# Allegro board C000PC009-HI3516DV300-CORE-A-A01.brd (continued)
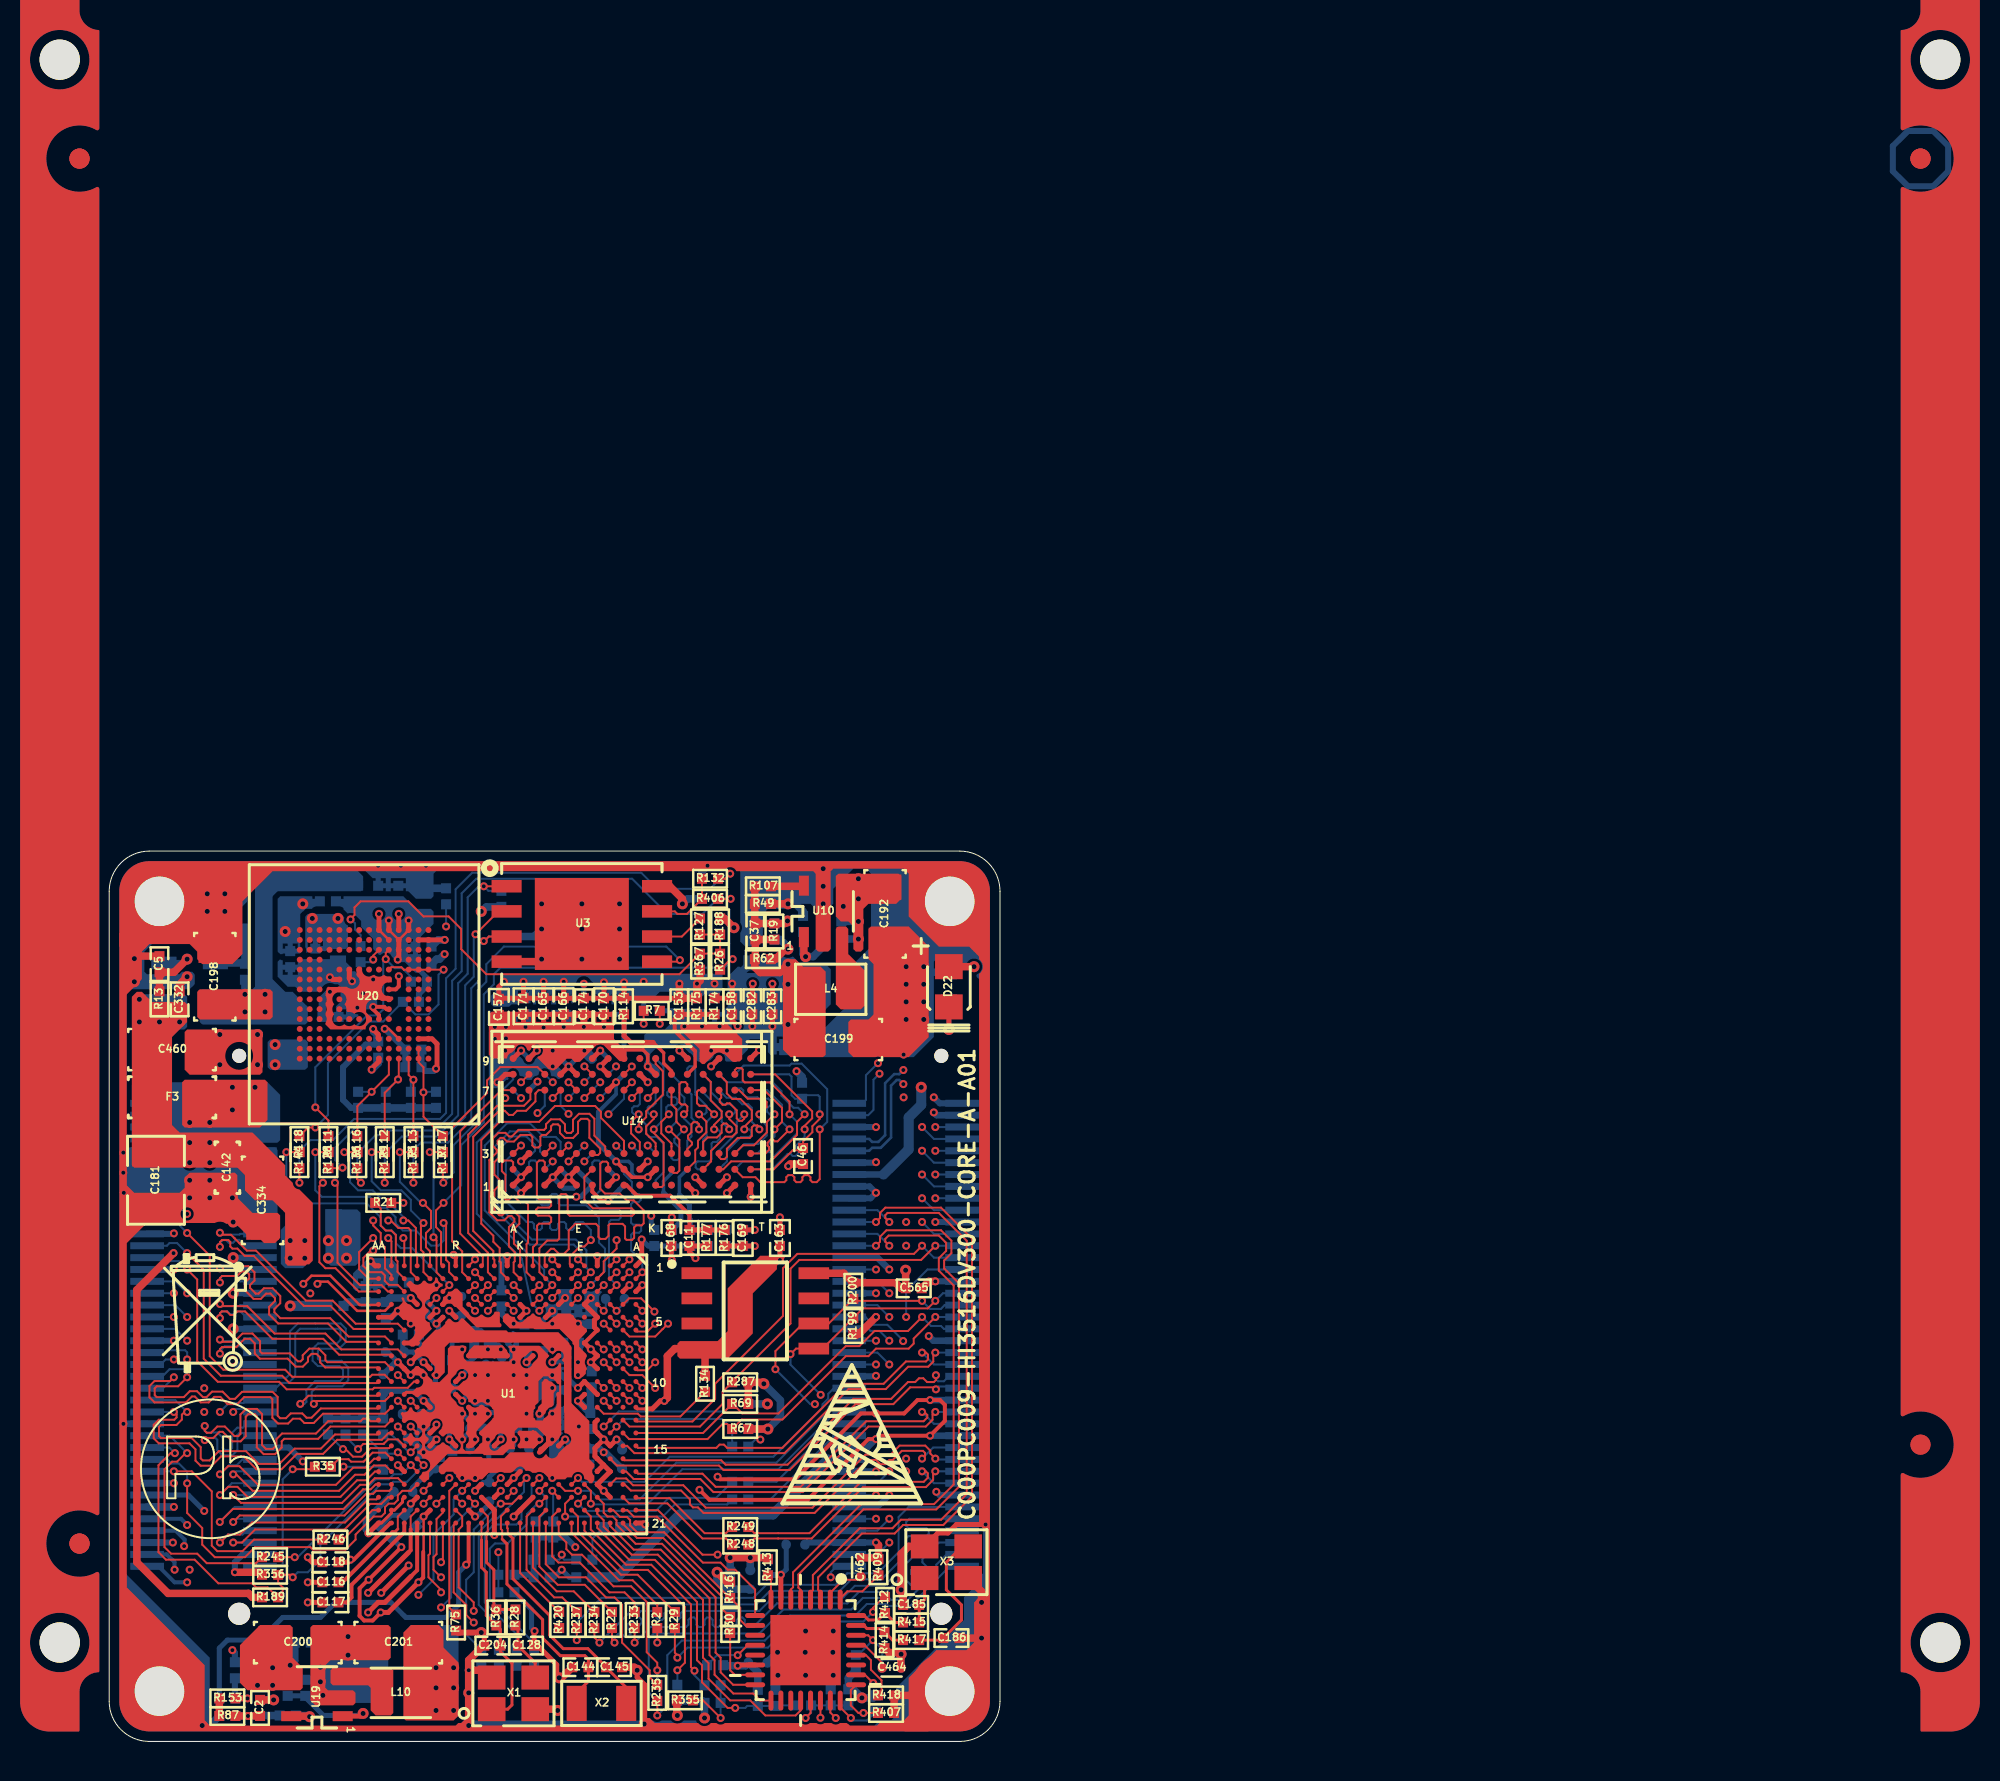
[diagram p0: board, top side]
## Routing (per net, layer and track width the routed paths; a pad name or vN(x,y) marks a point on that pad's centre or on a via; arc(x,y) is an arc through that point) (continued)
DDR3_DQ17: length 7.3
  TOP w0.102: U1.F2 v1(23.68,23.71)
  ART04 w0.102: v1(24,29.32) 24,29 24.38,28.62 24.38,26.84 24.71,26.51 24.71,25.16 24.1,24.55 24.1,24.14 v1(23.68,23.71)
  BOTTOM w0.102: U15.F7 v1(24,29.32)
DDR3_DQ18: length 12
  TOP w0.102: U1.D3 24.66,22.74 v1(24.98,23.06)
  ART04 w0.102: v1(24.98,23.06) 25.2,23.28 25.2,26.79 24.74,27.25 24.74,30.15 24.18,30.71 24.18,32.13 24.38,32.33 24.38,32.94 v1(24.01,33.32)
  BOTTOM w0.102: U15.F2 v1(24.01,33.32)
DDR3_DQ19: length 9.4
  TOP w0.102: U1.C3 v1(25.63,23.06)
  BOTTOM w0.102: U15.F8 24.4,29.26 24.51,29.36 24.74,29.36 24.81,29.29 24.81,27.85 24.49,27.53 24.49,27.2 24.79,26.9 25.73,26.9 25.83,26.79 25.83,26.46 25.73,26.36 25.35,26.36 25.25,26.26 25.25,23.45 v1(25.63,23.06)
DDR3_DQ20: length 10.8
  TOP w0.102: U1.B2 v1(26.28,23.71)
  ART04 w0.102: v1(25.22,31.7) 26.01,30.92 26.01,29.94 26.64,29.31 26.64,25.63 26.52,25.5 26.52,24.76 26.66,24.61 26.66,24.1 v1(26.28,23.71)
  BOTTOM w0.102: U15.H3 26,32.48 v1(25.22,31.7)
DDR3_DQ21: length 7.6
  TOP w0.102: U1.A2 26.72,23.5 26.72,23.5 v1(26.93,23.71)
  BOTTOM w0.102: v1(26.93,23.71) 26.93,24.25 26.36,24.82 26.36,25.61 26.47,25.71 26.77,25.71 26.87,25.81 26.87,26.02 26.77,26.12 26.47,26.12 26.36,26.22 26.36,27.16 26.47,27.26 26.75,27.26 26.85,27.36 26.85,27.57 26.75,27.67 26.47,27.67 26.4,27.73 26.4,28.28 26,28.68 26,28.92 U15.H8
DDR3_DQ22: length 12.5
  TOP w0.102: U1.D2 24.66,23.39 24.86,23.6 24.98,23.71 24.98,24.26 25.63,24.91 v1(25.63,25.34)
  ART04 w0.102: v1(25.6,34.12) 25.2,33.71 25.2,32.36 24.66,31.82 24.66,31.34 25.09,30.91 25.09,28.04 25.63,27.5 v1(25.63,25.34)
  BOTTOM w0.102: U15.G2 v1(25.6,34.12)
DDR3_DQ23: length 7.3
  TOP w0.102: U1.B1 v1(26.28,24.36)
  ART04 w0.102: v1(25.61,30.11) 25.61,29.83 26.01,29.44 26.01,27.76 26.21,27.56 26.21,27.31 26.06,27.15 26.06,26.9 26.21,26.75 26.21,26.49 26.06,26.34 26.06,24.59 v1(26.28,24.36)
  BOTTOM w0.102: U15.H7 v1(25.61,30.11)
DDR3_DQ24: length 14.2
  TOP w0.102: v1(22.38,23.06) 22.06,22.74 U1.H3
  BOTTOM w0.102: U15.D7 22.8,30.3 22.55,30.55 21.95,30.55 21.26,31.24 20.09,31.24 18.97,30.12 18.97,26.84 21.97,23.84 21.97,23.47 v1(22.38,23.06)
DDR3_DQ25: length 11
  TOP w0.102: U1.J3 21.41,22.74 v1(21.73,23.06)
  ART04 w0.102: v1(21.64,31.76) 21.92,31.48 21.92,27.07 21.34,26.49 21.34,23.46 v1(21.73,23.06)
  BOTTOM w0.102: v1(21.64,31.76) 22,32.13 U15.C3
DDR3_DQ26: length 9.5
  TOP w0.102: v1(22.38,24.36) 22.38,24.36 U1.G1
  ART04 w0.102: v1(22.4,29.32) 22.4,29.08 22.81,28.67 22.81,27.73 22.71,27.63 22.43,27.63 22.35,27.56 22.35,27.33 22.45,27.23 22.71,27.23 22.81,27.12 22.81,26.92 22.71,26.82 22.38,26.82 22.28,26.71 22.28,26.07 22.38,25.97 22.89,25.97 22.99,25.87 22.99,25.69 22.88,25.59 21.84,25.59 21.74,25.49 21.74,25.28 21.84,25.18 22.28,25.18 22.38,25.08 v1(22.38,24.36)
  BOTTOM w0.102: U15.C8 v1(22.4,29.32)
DDR3_DQ27: length 12
  TOP w0.102: U1.G2 v1(22.38,23.71)
  ART04 w0.102: v1(22.38,23.71) 22.77,24.11 22.77,24.9 23.42,25.54 23.42,26.95 23.22,27.15 23.22,27.76 23.62,28.17 23.62,28.65 23.37,28.9 23.06,28.9 22.77,29.19 22.77,32.95 v1(22.4,33.32)
  BOTTOM w0.102: U15.C2 v1(22.4,33.32)
DDR3_DQ28: length 11.6
  TOP w0.102: U1.F1 23.27,24.13 23.27,24.5 23.78,25.01 24.01,25.01 v1(24.33,25.34)
  BOTTOM w0.102: v1(24.33,25.34) 24.33,25.85 23.93,26.25 23.59,26.25 23.49,26.15 23.49,25.95 23.39,25.85 23.18,25.85 23.08,25.95 23.08,26.15 22.98,26.25 22.78,26.25 22.68,26.15 22.68,25.95 22.57,25.85 22.37,25.85 22.27,25.95 22.27,26.15 22.17,26.25 21.96,26.25 21.86,26.15 21.86,25.95 21.76,25.85 21.56,25.85 21.46,25.95 21.46,26.15 21.36,26.25 21.08,26.25 20.04,27.3 20.04,29.35 U15.A7
DDR3_DQ29: length 14.3
  TOP w0.102: U1.H4 v1(21.73,21.76)
  BOTTOM w0.102: U15.A2 20.4,33.46 19.58,32.64 19.58,31.28 18.57,30.27 18.57,26.67 20.85,24.39 21.31,22.19 v1(21.73,21.76)
DDR3_DQ30: length 11.4
  TOP w0.102: U1.E3 24.01,22.74 v1(24.33,23.06)
  BOTTOM w0.102: U15.B8 21.2,29.27 21.29,29.36 21.51,29.36 21.61,29.27 21.61,27.36 21.87,27.1 22.18,27.1 22.28,27.2 22.28,27.57 22.38,27.67 22.59,27.67 22.69,27.57 22.69,27.2 22.79,27.1 24.1,27.1 24.74,26.46 24.74,25.21 25.04,24.91 25.04,23.78 v1(24.33,23.06)
DDR3_DQ31: length 12
  TOP w0.102: U1.J4 21.41,22.09 v1(21.73,22.41)
  ART04 w0.102: v1(21.73,22.41) 20.93,23.22 20.93,26.67 21.51,27.25 21.51,31.01 20.8,31.72 v1(20.8,32.52)
  BOTTOM w0.102: U15.A3 v1(20.8,32.52)
DDR3_DQS0_N: length 18.1
  TOP w0.102: U14.G3 25.06,29.87 25.06,30.07 24.51,30.61 24.51,31.47 24.26,31.72 23.73,31.72 23.43,31.42 23.43,30.86 23.33,30.76 23.12,30.76 23.02,30.86 23.02,31.19 22.77,31.44 22.31,31.44 22.07,31.2 22.07,31.01 21.97,30.91 20.68,30.91 20.34,30.58 20.2,30.58 20.02,30.76 19.66,30.76 19.37,30.47 19.37,30.11 19.58,29.9 19.58,29.76 19.2,29.38 19.2,26.74 19.6,26.34 19.96,26.34 20.18,26.56 20.32,26.56 20.47,26.41 20.47,26.27 20.19,26 20.19,25.02 20.49,24.72 20.49,24.27 20.43,24.21 20.43,23.71 U1.K2
DDR3_DQS0_P: length 18.1
  TOP w0.102: U1.K1 20.76,24.85 20.45,25.16 20.45,25.89 20.72,26.17 20.72,26.52 20.43,26.81 20.07,26.81 19.85,26.59 19.71,26.59 19.46,26.85 19.46,27.86 19.71,28.11 19.71,28.39 19.46,28.65 19.46,29.28 19.83,29.65 19.83,30.01 19.62,30.22 19.62,30.36 19.77,30.5 19.91,30.5 20.09,30.32 20.45,30.32 20.78,30.65 21.28,30.65 21.38,30.55 21.38,30.12 21.48,30.02 21.68,30.02 21.78,30.12 21.78,30.57 21.87,30.65 22.07,30.65 22.32,30.9 22.32,31.09 22.42,31.19 22.67,31.19 22.77,31.09 22.77,30.75 23.02,30.5 23.43,30.5 23.68,30.75 23.68,31.32 23.84,31.47 24.15,31.47 24.26,31.37 24.26,30.51 24.8,29.96 24.8,29.74 24.7,29.64 24.48,29.64 U14.F3
DDR3_DQS1_N: length 12.2
  TOP w0.102: U1.M2 19.24,23.61 19.24,23.61 19.13,23.71 19.13,24.7 18.14,25.7 18.14,30.67 19.59,32.13 20.95,32.13 21.28,32.46 21.28,32.84 U14.B7
DDR3_DQS1_P: length 12
  TOP w0.102: U1.M1 19.46,24.34 19.41,24.4 19.41,24.79 18.39,25.8 18.39,30.56 19.7,31.87 19.98,31.87 20.19,31.66 20.4,31.66 20.6,31.87 21.06,31.87 21.53,32.35 21.53,32.73 21.54,32.74 21.54,32.77 21.69,32.92 U14.C7
DDR3_DQS2_N: length 10.8
  TOP w0.102: U1.C2 v1(25.63,23.71)
  ART03 w0.102: v1(24.81,32.52) 24.81,32.44 24.46,32.1 24.46,30.65 24.87,30.25 24.87,28.13 24.46,27.73 24.46,25.75 24.84,25.37 24.84,24.99 25.21,24.62 25.21,24.14 v1(25.63,23.71)
  BOTTOM w0.102: U15.G3 v1(24.81,32.52)
DDR3_DQS2_P: length 10.9
  TOP w0.102: U1.C1 v1(25.63,24.36)
  ART03 w0.102: v1(25.63,24.36) 25.63,24.7 25.2,25.14 25.2,25.52 24.82,25.9 24.82,27.58 25.22,27.99 25.22,30.4 24.82,30.8 24.82,31.95 25.2,32.33 25.2,32.61 v1(24.8,33.32)
  BOTTOM w0.102: U15.F3 v1(24.8,33.32)
DDR3_DQS3_N: length 12.9
  TOP w0.102: v1(24.33,23.71) U1.E2
  BOTTOM w0.102: v1(24.33,23.71) 24.1,23.94 24.1,24.83 23.88,25.06 23.57,25.37 21.36,25.37 19.63,27.09 19.63,29.86 20.35,30.58 21.07,30.58 21.51,30.14 21.51,29.85 21.38,29.72 U15.B7
DDR3_DQS3_P: length 13
  TOP w0.102: v1(23.68,24.36) 23.68,24.36 U1.E1
  BOTTOM w0.102: U15.C7 21.87,29.72 21.77,29.82 21.77,30.24 21.18,30.83 20.24,30.83 19.38,29.97 19.38,26.98 21.25,25.11 23.47,25.11 23.68,24.9 23.7,24.88 23.85,24.73 23.85,24.73 23.85,24.53 v1(23.68,24.36)
DDR3_ODT: length 19.9
  TOP w0.102: U14.K1 27.7,28.02 27.91,28.02 28,28.11 28,30.26 27.51,30.75 v1(27.51,30.94) ; U1.B4 26.26,22.39 26.87,22.39 v1(27.54,21.72)
  ART04 w0.102: v1(27.54,21.72) 27.6,21.72 28.4,22.52 28.4,23.08 28.9,23.59 28.9,26.77 28.42,27.25 28.42,30.07 27.56,30.94 v1(27.51,30.94)
  BOTTOM w0.102: U15.K1 27.6,34.52 27.84,34.28 28,34.12 28,32.91 27.99,32.9 27.99,32.66 27.89,32.56 27.89,31.31 v1(27.51,30.94)
DDR3_RAS_N: length 17.3
  TOP w0.102: U14.J3 26.8,30.29 26.36,30.73 26.36,31.31 v1(26.75,31.7) ; v1(27.58,21.11) 27.18,20.72 26.68,20.72 U1.A6
  ART03 w0.102: v1(27.58,21.11) 28.19,21.73 28.19,23.12 28.8,23.73 28.8,24.85 28.26,25.39 28.26,25.99 27.84,26.41 27.84,30.32 27.61,30.55 27.36,30.55 27.13,30.78 27.13,31.09 26.75,31.47 v1(26.75,31.7)
  BOTTOM w0.102: U15.J3 26.8,32.21 26.69,32.1 26.52,32.1 26.42,32 26.42,31.8 26.52,31.7 v1(26.75,31.7)
DDR3_RESET_N: length 35.4
  TOP w0.102: U14.T2 33.57,28.92 34.53,29.88 34.94,29.88 C46.1 35.05,30.32 35.52,30.79 35.52,31.1 35.89,31.47 v1(35.89,31.7) ; v1(24.98,17.21) 25.31,16.89 U1.C12
  ART04 w0.102: v1(24.98,17.21) 25.67,16.53 28.68,16.53 28.96,16.25 31.06,16.25 32.61,17.8 32.61,18.46 36.22,22.06 36.22,30.74 36.26,30.78 36.26,31.33 v1(35.89,31.7)
  BOTTOM w0.102: U15.T2 34.35,33.72 34.47,33.6 34.47,32.66 34.65,32.48 C281.1 35.18,32.66 35.81,32.66 35.89,32.58 v1(35.89,31.7)
DDR3_WE_N: length 20.9
  TOP w0.102: U1.C5 v1(25.63,21.12) ; v1(28.27,31.7) 27.89,31.31 27.89,30.73 28.4,30.21 28.4,30.07 28.4,30.07 28.4,29.72 U14.L3
  ART04 w0.102: v1(25.63,21.11) 26.13,20.62 27.24,20.62 27.47,20.39 28.4,20.39 29.13,21.12 29.13,22.44 30.12,23.44 30.12,24.63 29.77,24.98 29.77,26.97 29.23,27.5 29.23,30.21 28.64,30.81 28.64,31.33 v1(28.27,31.7)
  BOTTOM w0.102: v1(28.27,31.7) 28.14,31.83 28.14,32.05 28.24,32.15 28.59,32.15 28.7,32.25 28.7,32.46 28.59,32.56 28.3,32.56 28.19,32.66 28.19,32.82 28.3,32.92 28.4,32.92 U15.L3
DDR3_ZQ: length 6.2
  TOP w0.102: R134.2 28.85,16.42 26.85,16.42 26.71,16.56 24.98,16.56 24.66,16.89 U1.D12
DIS_FLOW_CTRL: length 39.1
  TOP w0.102: R2.2 v1(27.69,4.99)
  ART03 w0.102: v1(40.26,21.45) 40.84,20.87 41.53,20.87 42.29,20.11 42.29,12.23 39.12,9.06 39.12,2.84 38.81,2.53 38.4,2.53 38.23,2.71 31.62,2.71 29.34,4.99 v1(27.69,4.99)
  BOTTOM w0.102: v1(40.26,21.45) 40.26,22.78 41.34,23.85 J1.51
DSI_CKN/LCD_DATA13/LCD1_DATA2: length 19.4
  TOP w0.102: v1(41.73,16.65) 41.59,16.51 41.59,16.26 41.25,15.92 38.35,15.92 35.04,12.6 30.52,12.6 29.86,13.26 26.49,13.26 26.12,13.64 U1.B17
  BOTTOM w0.102: J1.27 v1(41.73,16.65)
DSI_CKP/LCD_DATA12/LCD1_DATA1: length 19.2
  TOP w0.102: U1.A17 26.72,13.53 29.97,13.53 30.63,12.87 34.93,12.87 38.24,16.18 41.14,16.18 41.33,16.37 41.33,16.5 41.17,16.65 v1(41.06,16.65)
  BOTTOM w0.102: J1.25 41.66,16.05 v1(41.06,16.65)
DSI_D0N/LCD_DATA9/LCD1_VSYNC: length 19.6
  TOP w0.102: v1(41.73,19.65) 41.63,19.55 41.63,19.2 41.37,18.94 40.36,18.94 39.23,17.81 37.35,17.81 34.11,14.57 26.53,14.57 26.16,14.94 25.96,14.94 U1.B15
  BOTTOM w0.102: J1.37 v1(41.73,19.65)
DSI_D0P/LCD_DATA8/LCD1_DE: length 19.6
  TOP w0.102: v1(41.06,19.65) 41.26,19.65 41.36,19.55 41.36,19.31 41.26,19.2 40.25,19.2 39.12,18.08 37.24,18.08 34,14.84 31.22,14.84 31.05,15 30.84,15 30.67,14.84 26.71,14.84 26.61,14.94 U1.A15
  BOTTOM w0.102: v1(41.06,19.65) 41.66,19.05 J1.35
DSI_D1N/LCD_DATA10/LCD1_HSYNC: length 19.8
  TOP w0.102: U1.B16 26.04,14.21 30.92,14.21 31.14,13.99 34.26,13.99 37.59,17.31 39.5,17.31 40.35,18.16 40.72,18.16 40.91,18.36 41.13,18.36 41.32,18.16 41.66,18.16 41.76,18.27 v1(41.76,18.51)
  BOTTOM w0.102: v1(41.76,18.51) 41.76,18.31 41.87,18.2 42.17,18.2 42.41,18.45 J1.33
DSI_D1P/LCD_DATA11/LCD1_DATA0: length 19.9
  TOP w0.102: v1(41.76,17.8) 41.66,17.9 40.46,17.9 39.61,17.05 37.7,17.05 34.38,13.72 31.03,13.72 30.81,13.94 25.65,13.94 U1.C16
  BOTTOM w0.102: v1(41.76,17.8) 41.9,17.94 42.3,17.94 42.39,17.85 J1.31
DSI_D2N/LCD_DATA14/LCD1_DATA3: length 20.1
  TOP w0.102: U1.B18 26.04,12.99 26.35,12.68 28.89,12.68 29.34,12.23 29.34,11.98 29.49,11.83 29.74,11.83 30.02,11.55 35.64,11.55 38.32,14.23 38.74,14.23 38.95,14.01 39.2,14.01 39.41,14.23 39.58,14.23 40.04,14.69 41.11,14.69 41.21,14.58 41.21,14.44 v1(41.06,14.29)
  BOTTOM w0.102: v1(41.06,14.29) 41.62,14.85 J1.21
DSI_D2P/LCD_DATA15/LCD1_DATA4: length 20.2
  TOP w0.102: v1(41.73,14.29) 41.48,14.55 41.48,14.69 41.22,14.95 39.93,14.95 39.47,14.49 38.21,14.49 35.53,11.81 30.13,11.81 29,12.95 26.46,12.95 26.12,13.29 25.61,13.29 U1.C18
  BOTTOM w0.102: v1(41.73,14.29) 41.77,14.25 J1.19
DSI_D3N/LCD_DATA17/LCD1_CLK: length 12.5
  TOP w0.102: R248.2 32.59,10.26 33.79,10.26 35.49,10.26 38.08,12.86 41.26,12.86 41.62,13.22 41.62,13.54 v1(41.73,13.65)
  BOTTOM w0.102: J1.17 v1(41.73,13.65)
DSI_D3P/LCD_DATA16/LCD1_DATA5: length 13.2
  TOP w0.102: v1(41.06,13.65) 41.25,13.65 41.35,13.55 41.35,13.33 41.15,13.12 37.97,13.12 35.38,10.53 32.59,10.53 R249.2
  BOTTOM w0.102: J1.15 41.66,13.05 v1(41.06,13.65)
EMMC_3V3: length 4.9
  TOP w0.203: U20.E6 13.63,36.71 13.34,37 v1(13.34,37.13) 13.89,37.13 14.01,37.01 U20.F5
  TOP w0.254: U20.K9 12.13,38.56 v1(12.27,38.42) ; v1(11.15,38.62) 11.18,38.62 11.29,38.51 U20.J10
  BOTTOM w0.254: R108.1 9.58,39.13 ; R108.1 9.14,38.7 ; R108.1 8.71,39.13 ; 12.01,36.62 C58.1 11.58,37.05
EMMC_CLK: length 1.3
  TOP w0.102: v1(13.34,39.51) 13.34,39.72 U20.M6
  BOTTOM w0.102: R110.2 13.21,39.39 v1(13.34,39.51)
EMMC_CLK/SFC_CLK/SFC_BOOT_MODE: length 25.4
  TOP w0.102: R127.1 R188.2 R26.1 R367.1 28.8,38.78 19.05,38.78 17.78,40.05 17.78,41.06 17.15,41.7 15.88,41.7 15.11,42.46 12.7,42.46 12.4,42.16 12.4,41.77 12.19,41.57 v1(12.19,41.55)
  BOTTOM w0.102: R110.1 12.7,40.76 12.42,41.04 12.42,41.34 12.22,41.55 v1(12.19,41.55)
EMMC_CMD: length 13.4
  TOP w0.102: U20.M5 13.97,39.85 v1(13.97,39.54) ; R111.2 11.07,31.39 v1(10.41,32.05)
  BOTTOM w0.102: 15.24,38.4 15.24,38.65 14.81,39.08 14.43,39.08 v1(13.97,39.54) 13.84,39.41 13.84,37 13.54,36.69 13.03,36.69 10.41,34.08 v1(10.41,32.05)
EMMC_CMD/SFC_HOLD_IO3: length 14.5
  TOP w0.102: v1(16.89,26.2) 17.02,26.08 17.02,24.34 17.17,24.19 17.17,23.72 17.51,23.39 U1.R2 ; R128.1 v1(10.41,29.78)
  BOTTOM w0.102: v1(16.89,26.2) 16.89,25.31 16.64,25.06 16.26,25.06 15.49,25.82 14.83,25.82 14.47,26.19 14.47,26.5 14,26.97 13.72,26.97 13.16,27.52 10.74,27.52 10.41,27.85 v1(10.41,29.78)
EMMC_DATA0: length 4.7
  TOP w0.102: R113.2 v1(15.37,33.44) 15.13,33.68 U20.A3
  BOTTOM w0.102: v1(15.37,33.44) 15.24,33.32 R97.2
EMMC_DATA0/SFC_WP_IO2: length 7.3
  TOP w0.102: v1(15.85,27.22) 16.26,26.81 16.26,25.95 16,25.7 16,24.97 16.21,24.77 U1.U1 ; R135.1 v1(14.68,29.78)
  BOTTOM w0.102: v1(14.68,29.78) 14.68,28.29 15.75,27.22 v1(15.85,27.22)
EMMC_DATA1: length 5.1
  TOP w0.102: U20.A4 14.63,33.49 v1(14.59,33.46) 13.92,32.78 R112.2
  BOTTOM w0.102: R100.2 v1(14.59,33.46)
EMMC_DATA1/SFC_MISO_IO1: length 9
  TOP w0.102: U1.U2 15.88,23.72 15.88,24.72 15.75,24.85 15.75,26.1 15.85,26.2 v1(15.88,26.2) ; R112.1 v1(13.26,29.78)
  BOTTOM w0.102: v1(13.26,29.78) 13.26,28.31 13.72,27.85 14.76,27.85 15.24,27.37 15.24,26.84 v1(15.88,26.2)
EMMC_DATA2: length 5.3
  TOP w0.102: R116.2 12.54,32.11 v1(13.26,32.83) 14.13,33.7 U20.A5
  BOTTOM w0.102: R104.2 v1(13.26,32.83)
EMMC_DATA2/SFC_CSN: length 8.6
  TOP w0.102: R116.1 v1(11.88,29.78) ; U1.V1 15.56,24.53 15.49,24.59 15.49,25.95 15.11,26.33 v1(14.86,26.33)
  BOTTOM w0.102: v1(11.88,29.78) 12.17,29.49 12.17,28.26 12.57,27.85 13.31,27.85 13.69,27.47 13.89,27.47 14.86,26.51 v1(14.86,26.33)
EMMC_DATA3: length 5.6
  TOP w0.102: U20.B2 15.63,34.33 15.88,34.08 v1(15.88,32.81) 15.88,31.58 R117.2
  BOTTOM w0.102: v1(15.88,32.81) 15.9,32.83 R105.2
EMMC_DATA3/SFC_MOSI_IO0: length 7.3
  TOP w0.102: R117.1 v1(16.19,29.78) ; U1.T2 16.86,23.39 16.54,23.71 16.54,25.33 v1(16.38,25.48)
  BOTTOM w0.102: v1(16.38,25.48) 16.38,29.6 v1(16.19,29.78)
EMMC_RST_N: length 16.6
  TOP w0.102: U20.K5 14.25,39.13 14.76,39.13 14.88,39.01 v1(16.89,39.01) ; R118.2 10.04,31.03 v1(10.41,31.03)
  BOTTOM w0.102: v1(10.41,31.03) 11.05,31.66 11.05,34.28 13.16,36.39 13.84,36.39 R4.2 15.47,36.74 16.13,36.74 16.64,37.25 16.64,38.75 v1(16.89,39.01)
EMMC_RST_N/SYS_RSTN_OUT: length 13.5
  TOP w0.102: v1(17.18,23.06) 16.86,22.74 U1.T3 ; R144.1 v1(8.95,29.78)
  BOTTOM w0.102: v1(17.18,23.06) 15.31,24.93 14.73,24.93 14.49,25.18 14.49,25.61 14.27,25.82 13.97,25.82 13.72,26.08 13.72,26.48 13,27.19 10.01,27.19 8.95,28.25 v1(8.95,29.78)
EMMC_VCCQ: length 22.7
  TOP w0.127: U20.P5 U20.N4 U20.P3
  TOP w0.254: v1(15.13,41.49) U20.P3 ; v1(13.34,36.01) 13.34,35.99 13.59,35.74 13.59,35.55 U20.C6 ; U20.N4 U20.M4 14.63,39.56 v1(14.58,39.51) ; U20.P5 v1(14.13,41.49)
  ART03 w0.381: v1(13.34,36.01) 13.34,36.24 13.97,36.87 13.97,38.78 14.58,39.39 v1(14.58,39.51)
  BOTTOM w0.254: 11.89,42.46 R109.1 11.89,42.24 ; 15.47,39.74 C63.1 ; C63.1 15.04,40.17 ; C63.1 15.47,40.72 15.2,40.99 15.13,40.99 ; R145.1 16.05,38.6 15.47,39.18 C62.1
  BOTTOM w0.305: R104.1 12.22,32.02 11.81,32.43 11.81,34.08 12.95,35.22 13.44,35.22 C64.1 13.59,35.6 13.34,35.86 v1(13.34,36.01) ; R4.1 15.65,37.79 16.05,38.19 R145.1
  BOTTOM w0.381: R104.1 R100.1 R97.1 R105.1
EPHY_CLK: length 13.4
  TOP w0.102: R412.1 39.14,7.31 38.58,6.75 v1(38.58,6.54) ; v1(28.7,4.23) 28.7,4.36 28.58,4.49 R29.2
  BOTTOM w0.102: v1(28.7,4.23) 29.21,4.74 33.27,4.74 34.59,6.06 38.1,6.06 v1(38.58,6.54)
EPHY_RSTN: length 3.6
  TOP w0.102: U21.21 35.43,1.43 v1(35.18,1.18)
  BOTTOM w0.102: v1(35.18,1.18) 35.46,1.46 R410.2 C132.1 R408.1
EPHY_RSTN/SFC_DEVICE_MODE: length 16.3
  TOP w0.102: v1(31.62,1.69) 31.24,1.69 29.95,2.99 29.95,3.85 29.69,4.11 29.69,7.05 27.57,9.18 26.27,9.18 24.66,10.79 U1.D21
  BOTTOM w0.102: v1(31.62,1.69) 32.13,1.69 32.23,1.79 R196.2 R354.1 33.68,1.82 R410.1
ETH_25M_CKXTAL1: length 7.2
  TOP w0.152: X3.3 43.09,9.86 42.29,9.06 42.29,7.66 43.05,6.9 43.05,6.14 C186.2 42.04,5.12 R417.1
ETH_25M_CKXTAL2: length 2.4
  TOP w0.152: R415.1 C185.2 41.19,7.17 X3.1
HDMI_CEC: length 19
  TOP w0.102: U1.V10 15.4,18.19 15.08,17.87 13.39,17.87 13.31,17.8 8.97,17.8 8.59,18.18 5.49,18.18 4.45,19.22 4.45,23.35 v1(3.94,23.85)
  BOTTOM w0.102: J2.54 2.89,24.45 3.07,24.28 3.51,24.28 v1(3.94,23.85)
HDMI_HOTPLUG: length 18.3
  TOP w0.102: U1.W10 v1(14.58,18.51)
  ART03 w0.102: v1(14.58,18.52) 14.01,19.09 11.18,19.09 6.73,23.54 6.73,26.46 6.48,26.71 3.99,26.71 v1(3.94,26.66)
  BOTTOM w0.102: J2.62 3.75,26.85 v1(3.94,26.66)
HDMI_SCL: length 17.3
  TOP w0.102: U1.AA10 13.53,18.11 9.11,18.11 8.74,18.48 5.64,18.48 4.78,19.35 4.78,23.84 v1(3.94,24.68)
  BOTTOM w0.102: v1(3.94,24.68) 3.43,25.19 3.05,25.19 2.91,25.05 J2.56
HDMI_SDA: length 18.7
  TOP w0.102: v1(3.94,25.7) 5.08,24.55 5.08,19.47 5.77,18.79 8.89,18.79 9.25,18.43 13.18,18.43 13.28,18.53 13.91,18.53 U1.Y10
  BOTTOM w0.102: J2.60 3.38,26.25 v1(3.94,25.7)
HDMI_TX0N: length 14.4
  TOP w0.102: U1.Y7 13.93,20.46 12.09,20.46 11.16,21.39 8.64,21.39 8.34,21.69 8.34,21.85 8.64,22.15 8.64,22.52 8.25,22.9 7.82,22.9 7.55,22.63 7.4,22.63 7.11,22.92 7.11,23.07 7.34,23.29 7.34,23.71 7.03,24.02 6.58,24.02 6.35,23.79 5.71,23.79 v1(5.59,23.91)
  BOTTOM w0.102: J2.51 6.62,23.85 6.55,23.79 5.71,23.79 v1(5.59,23.91)
HDMI_TX0P: length 14.2
  TOP w0.102: U1.AA7 13.55,20.2 11.98,20.2 11.05,21.12 8.53,21.12 8.08,21.58 8.08,21.96 8.38,22.26 8.38,22.4 8.14,22.64 7.93,22.64 7.66,22.37 7.29,22.37 6.85,22.81 6.85,23.18 7.07,23.4 7.07,23.6 6.92,23.75 6.69,23.75 6.46,23.52 5.7,23.52 5.59,23.42 v1(5.59,23.2)
  BOTTOM w0.102: v1(5.59,23.2) 5.59,23.42 5.7,23.52 6.34,23.52 6.62,23.25 J2.49
HDMI_TX1N: length 12.5
  TOP w0.102: U1.W8 14.58,19.81 11.72,19.81 10.92,20.62 8.36,20.62 6.97,22 5.7,22 v1(5.59,22.11)
  BOTTOM w0.102: v1(5.59,22.11) 5.7,22 6.56,22 6.62,22.05 J2.45
HDMI_TX1P: length 12.6
  TOP w0.102: U1.Y8 14.2,19.55 11.61,19.55 10.81,20.35 8.25,20.35 6.86,21.73 6.48,21.73 6.3,21.56 6.12,21.56 5.94,21.73 5.69,21.73 5.59,21.64 v1(5.59,21.4)
  BOTTOM w0.102: J2.43 6.91,21.45 6.63,21.73 6.45,21.73 6.31,21.59 6.11,21.59 5.97,21.73 5.7,21.73 5.59,21.63 v1(5.59,21.4)
HDMI_TX2N: length 12.8
  TOP w0.102: U1.Y9 13.93,19.17 11.02,19.17 10.92,19.27 10.92,19.52 10.58,19.85 10.11,19.85 9.78,19.52 9.78,19.31 9.67,19.21 9.53,19.21 9.13,19.61 7.72,19.61 7.62,19.71 7.62,20.23 7.23,20.62 6.73,20.62 6.31,20.2 5.7,20.2 v1(5.59,20.31)
  BOTTOM w0.102: v1(5.59,20.31) 5.67,20.23 6.6,20.23 6.62,20.25 J2.39
HDMI_TX2P: length 12.6
  TOP w0.102: v1(5.59,19.6) 5.59,19.83 5.7,19.93 6.42,19.93 6.84,20.35 7.12,20.35 7.35,20.12 7.35,19.6 7.61,19.35 9.02,19.35 9.42,18.94 9.78,18.94 10.04,19.2 10.04,19.41 10.22,19.59 10.47,19.59 10.65,19.41 10.65,19.16 10.91,18.9 13.55,18.9 U1.AA9
  BOTTOM w0.102: J2.37 6.93,19.65 6.62,19.97 5.83,19.97 5.59,19.73 v1(5.59,19.6)
HDMI_TXCN: length 13.4
  TOP w0.102: U1.W6 14.91,20.79 14.58,21.11 12.45,21.11 11.29,22.28 9.94,22.28 7.41,24.81 6.96,24.81 6.59,25.18 6.16,25.61 5.69,25.61 v1(5.59,25.71)
  BOTTOM w0.102: v1(5.59,25.71) 5.68,25.62 6.58,25.62 6.62,25.65 J2.57
HDMI_TXCP: length 13.5
  TOP w0.102: v1(5.59,25) 5.59,25.24 5.7,25.34 6.02,25.34 6.12,25.24 6.12,25.01 6.22,24.91 6.48,24.91 6.85,24.54 7.3,24.54 9.83,22.01 11.18,22.01 12.34,20.85 14.2,20.85 14.26,20.79 U1.Y6
  BOTTOM w0.102: v1(5.59,25) 5.59,25.2 5.75,25.35 5.89,25.35 6.04,25.21 6.26,25.21 6.4,25.35 6.57,25.35 6.87,25.05 J2.55
I2C2_SCL: length 40.7
  TOP w0.102: U1.R19 17.83,12.02 v1(17.83,12.02) ; v1(41.06,22.27) 37.69,22.27 R200.1 36.35,21.12 35.05,21.12 33.66,19.73 v1(33.66,18.81)
  ART03 w0.102: v1(17.83,12.02) 17.83,10.73 20.25,8.31 24.93,8.31 27.21,10.6 27.23,10.6 27.44,10.81 27.44,10.83 28.95,12.34 34.52,12.34 35.65,13.47 v1(35.65,17.05)
  BOTTOM w0.102: v1(41.06,22.27) 41.47,21.86 42.01,21.86 42.2,22.05 J1.45 ; v1(35.65,17.05) 35.42,17.05 v1(33.66,18.81)
I2C2_SDA: length 42.1
  TOP w0.102: v1(17.18,13.31) 16.86,12.99 U1.T18 ; v1(34.42,19.57) 34.7,19.85 U59.5 36.04,19.85 R199.1 38.07,21.89 41.35,21.89 v1(41.73,22.27)
  ART03 w0.102: v1(17.18,13.31) 17.45,13.05 17.45,10.67 20.14,7.98 25.19,7.98 29.19,11.98 34.8,11.98 36.07,13.25 36.07,17.36 35.97,17.47 35.97,17.49 v1(35.94,17.52)
  BOTTOM w0.102: v1(34.42,19.57) 34.42,19.04 v1(35.94,17.52) ; J1.47 42.12,22.65 v1(41.73,22.27)
I2C3_SCL: length 20.2
  TOP w0.102: U1.B14 25.96,15.59 26.26,15.28 30.23,15.28 30.99,16.04 31.22,16.04 R67.1 31.95,16.27 34.01,16.27 37.21,19.47 38.35,19.47 38.74,19.85 40.39,19.85 40.64,20.11 40.64,20.36 v1(41.73,21.45)
  BOTTOM w0.102: J1.43 v1(41.73,21.45)
I2C3_SDA: length 19.6
  TOP w0.102: v1(41.06,21.45) 40.35,20.74 38.66,20.74 37.9,19.98 37.21,19.98 33.81,16.58 31.98,16.58 31.5,17.06 R69.1 30,15.59 U1.A14
  BOTTOM w0.102: J1.41 42.16,20.85 42.02,21 41.52,21 v1(41.06,21.45)
I2C7_SCL: length 35
  TOP w0.102: U1.H18 21.74,12.68 v1(21.73,12.66)
  ART03 w0.102: v1(39.41,21.45) 39.46,21.45 40.51,20.4 40.51,20.08 40.13,19.7 40.13,18.79 39.09,17.75 36.53,17.75 36.32,17.95 35.81,17.95 35.27,17.4 35.27,13.72 34.24,12.7 30.45,12.7 30.02,13.12 28.7,13.12 25.78,10.2 22.35,10.2 21.72,10.84 21.72,11.49 22.09,11.86 22.09,12.3 v1(21.73,12.66)